# Altium PCB Copy of PCB1.PcbDoc (part 1 of 2)
Units mm, origin at the board's own origin, x right, y up, seen from the top; angles counter-clockwise.
Board outline 138.99 x 99.31 mm, 2 copper layers (Top Layer, Bottom Layer); 258 components, 212 nets, 701 pads, 41 vias.
Unrouted connection lines stored in the file: 158.
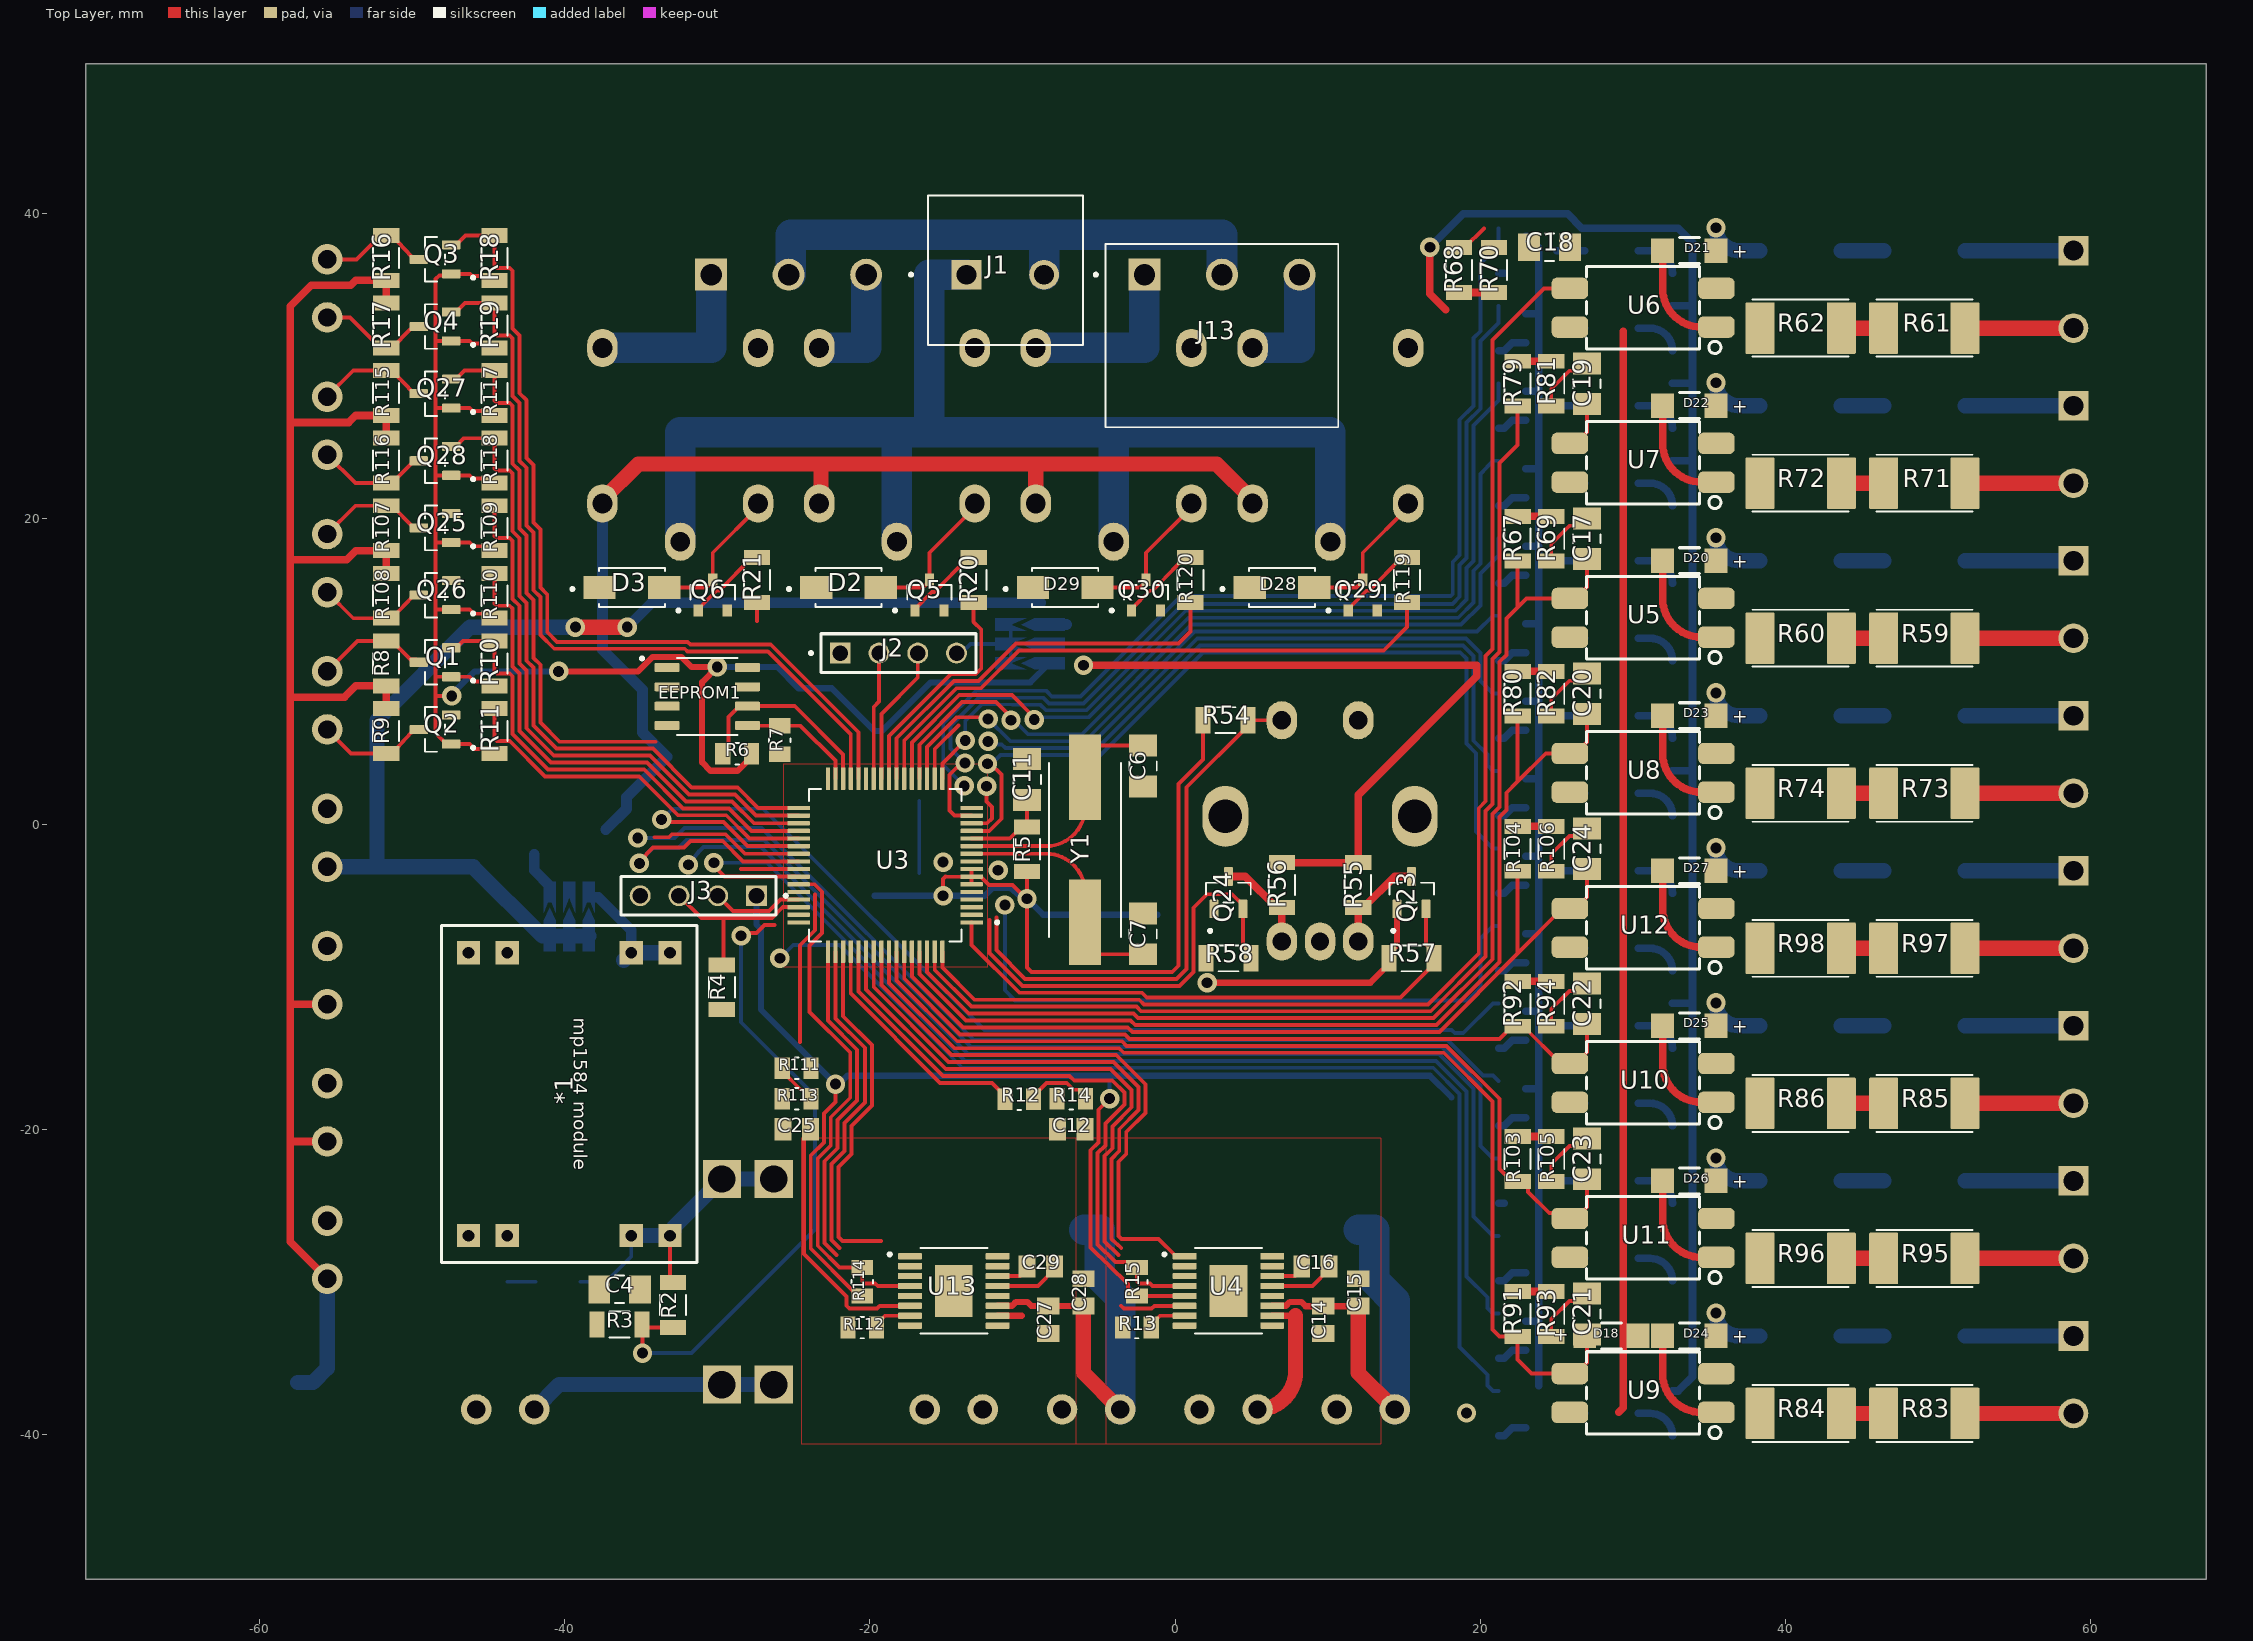
[diagram p0: Top Layer view]
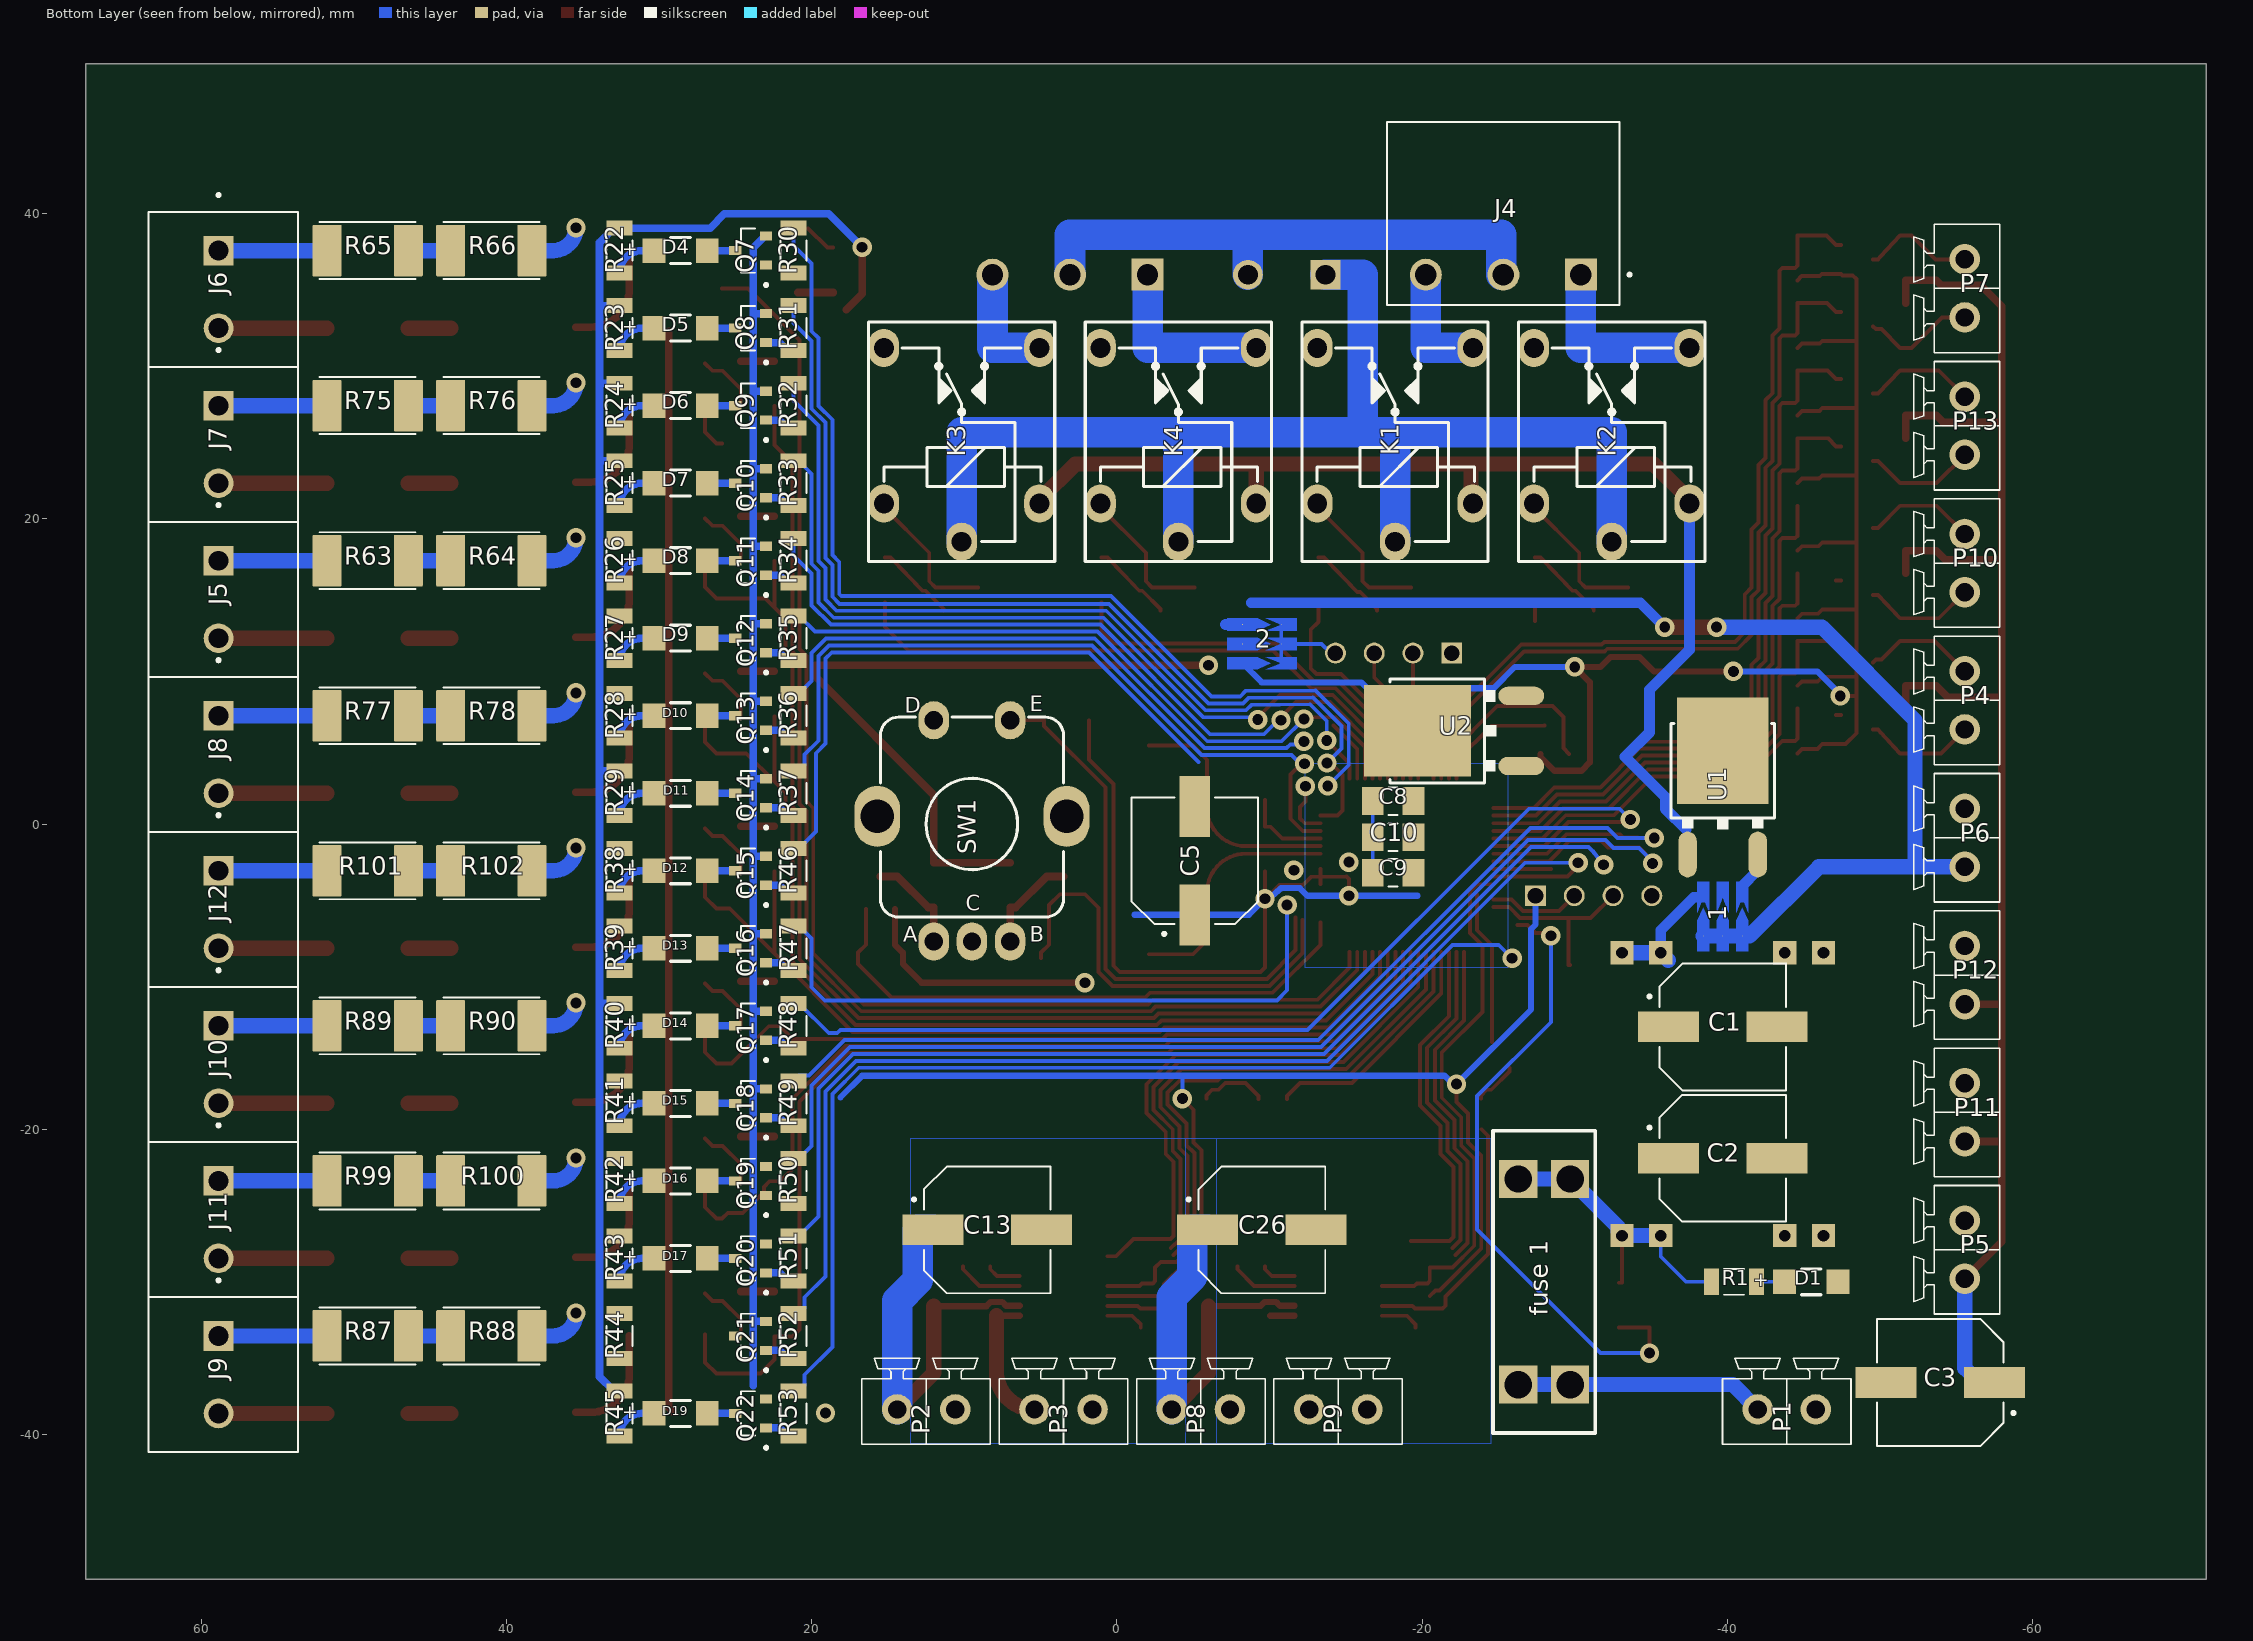
[diagram p1: Bottom Layer view, seen from below]

## Layer stack, top to bottom
Top Solder: solder mask 0.0102, Solder Resist, Dk 3.5
Top Layer: signal copper 0.0356
Dielectric 1: dielectric 0.32, FR-4, Dk 4.8
Bottom Layer: signal copper 0.0356
Bottom Solder: solder mask 0.0102, Solder Resist, Dk 3.5

## Board outline
-71.399,-49.479 67.589,-49.479 67.589,49.835 -71.399,49.835

## Design rules (kind name [scope] priority, off if disabled: settings)
AcuteAngle [All] p1: minimum=8.90000000000000E+0001 checktracksonly=FALSE
BoardOutlineClearance [All] p1: gap=0.5 ignorepadtopadclearanceinfootprint=FALSE
Clearance [All] p1: gap=0.4 ignorepadtopadclearanceinfootprint=FALSE except(0.5: Arc-Hole Track-Hole SMDPad-Hole Via-Hole Fill-Hole Poly-Hole Region-Hole Text-Hole; 0.8: Arc-THPad Track-THPad SMDPad-THPad THPad-THPad THPad-Via THPad-Fill THPad-Poly THPad-Region THPad-Text THPad-Hole)
HoleSize [All] p1: absolutevalues=TRUE maxlimit=2.54 minlimit=0.5 maxpercent=80.000 minpercent=20.000
HoleToHoleClearance [All] p1: gap=0.8 allowstackedmicrovias=TRUE
MinimumAnnularRing [All] p1: minimumring=0.254
PlaneConnect [All] p1: planeconnectstyle=Direct reliefexpansion=0.508 reliefentries=4 reliefconductorwidth=0.254 reliefairgap=0.254
PolygonConnect [All] p1: connectstyle=Direct reliefconductorwidth=0.254 reliefentries=4 polygonreliefangle="90 Angle" airgapwidth=0.254
RoutingVias [All] p1: holewidth=0.6 width=1 viastyle="Through Hole" minholewidth=0.5 minwidth=1 maxholewidth=2 maxwidth=4
SolderMaskExpansion [All] p1: expansion=0.102 istentingtop=FALSE
SupplyNets "Schematic Supply Nets_2" [InNet('3.3v')] p1: voltage=0.000
SupplyNets "Schematic Supply Nets" [InNet('GND')] p2: voltage=0.000
Width [All] p1: maxlimit=5 minlimit=0.254 preferedwidth=0.254
27 further rules are at their usual default settings.

## Classes and differential pairs
component class "receiver 2": C21 C22 C23 C24 D24 D25 D26 D27 J9 J10 J11 J12 R83 R84 R85 R86 R87 R88 R89 R90 R91 R92 R93 R94 R95 R96 R97 R98 R99 R100 R101 R102 R103 R104 R105 R106 U9 U10 U11 U12
component class "receiver 1": C17 C18 C19 C20 D20 D21 D22 D23 J5 J6 J7 J8 R59 R60 R61 R62 R63 R64 R65 R66 R67 R68 R69 R70 R71 R72 R73 R74 R75 R76 R77 R78 R79 R80 R81 R82 U5 U6 U7 U8
component class "motor driver 2": D28 D29 J13 K3 K4 P12 P13 Q27 Q28 Q29 Q30 R115 R116 R117 R118 R119 R120
component class Power: 1 *1 C1 C2 C3 C4 C5 D1 "fuse 1" J1 P1 R1 R2 R3 U1 U2
component class "motor driver 1": D2 D3 J4 K1 K2 P6 P7 Q3 Q4 Q5 Q6 R16 R17 R18 R19 R20 R21
component class MCU: 2 C6 C7 C8 C9 C10 C11 EEPROM1 fram? J2 J3 R4 R5 R6 R7 S? U3 Y1 Y?
component class "jack driver 2": C25 C26 C27 C28 C29 P8 P9 P10 P11 Q25 Q26 R107 R108 R109 R110 R111 R112 R113 R114 U13
component class "jack driver 1": C12 C13 C14 C15 C16 P2 P3 P4 P5 Q1 Q2 R8 R9 R10 R11 R12 R13 R14 R15 U4
component class interface: D4 D5 D6 D7 D8 D9 D10 D11 D12 D13 D14 D15 D16 D17 D18 D19 Q7 Q8 Q9 Q10 Q11 Q12 Q13 Q14 Q15 Q16 Q17 Q18 Q19 Q20 Q21 Q22 Q23 Q24 R22 R23 R24 R25 R26 R27 R28 R29 R30 R31 R32 R33 R34 R35 R36 R37 R38 R39 R40 R41 R42 R43 R44 R45 R46 R47 R48 R49 R50 R51 R52 R53 R54 R55 R56 R57 R58 SW1

## Components (designator, comment, footprint, x,y, rotation, side; value= is the part's Value field where it differs from the comment)
1 "3way jumper" PCBComponent_1#1 -39.7,-6.07 r270 bottom
2 "3way jumper" PCBComponent_1#1 -9.5,11.8 r0 bottom
*1 "mp 1584 12v" PCBComponent_1#2 -39.7,-17.7 r270 top
C1 "470uF-16v-polymer" CAP_EEEFN1H101L -39.7,-13.3 r180 bottom
C2 "470uF-16v-polymer" CAP_EEEFN1H101L -39.7,-21.9 r180 bottom
C3 "470uF-16v-polymer" CAP_EEEFN1H101L -53.95,-36.6 r0 bottom
C4 "1nF-1206" CAPC3216X180N -36.4,-30.5 r0 top
C5 "470uF-6.3v-polymer" CAP_EEEFN1H101L -5.1,-2.4 r90 bottom
C6 "22pf-1206" CAPC3216X180N -2.1,3.8 r90 top locked
C7 "22pf-1206" CAPC3216X180N -2.1,-7.2 r270 top locked
C8 "1uf-1206" CAPC3216X180N -18.1,1.5 r180 bottom
C9 "1uf-1206" CAPC3216X180N -18.1,-3.2 r180 bottom
C10 "1uf-1206" CAPC3216X180N -18.1,-0.875 r180 bottom
C11 "1uf-1206" CAPC3216X180N -9.7,2.921 r270 top
C12 "22nf -0805" CAPC2012X145N -6.8,-20 r0 top locked
C13 "100uF-50v-polymer" CAP_EEEFN1H101L 8.5,-26.6 r180 bottom
C14 "100nf -0805" CAPC2012X145N 9.7,-32.5 r90 top locked
C15 "100nf -0805" CAPC2012X145N 12,-30.7 r270 top locked
C16 "22nf -0805" CAPC2012X145N 9.2,-29 r0 top locked
C17 "1uf-1206" CAPC3216X180N 26.992,18.695 r270 top locked
C18 "1uf-1206" CAPC3216X180N 24.536,37.8 r0 top locked
C19 "1uf-1206" CAPC3216X180N 26.992,28.855 r270 top locked
C20 "1uf-1206" CAPC3216X180N 26.992,8.535 r270 top locked
C21 "1uf-1206" CAPC3216X180N 26.992,-32.105 r270 top locked
C22 "1uf-1206" CAPC3216X180N 26.992,-11.785 r270 top locked
C23 "1uf-1206" CAPC3216X180N 26.992,-21.945 r270 top locked
C24 "1uf-1206" CAPC3216X180N 26.992,-1.625 r270 top locked
C25 "22nf -0805" CAPC2012X145N -24.8,-20 r0 top locked
C26 "100uF-50v-polymer" CAP_EEEFN1H101L -9.5,-26.6 r180 bottom
C27 "100nf -0805" CAPC2012X145N -8.3,-32.5 r90 top locked
C28 "100nf -0805" CAPC2012X145N -6,-30.7 r270 top locked
C29 "22nf -0805" CAPC2012X145N -8.8,-29 r0 top locked
D1 "led-red-1206" "WL-SMRW_1206 dome_normal use" -45.5,-30 r0 bottom
D2 "1N4007-SMA" DIOM4325X250N -21.4,15.5 r0 top locked
D3 "1N4007-SMA" DIOM4325X250N -35.6,15.5 r0 top locked
D4 "led-red-1206" "WL-SMRW_1206 dome_normal use" 28.6,37.575 r0 bottom locked
D5 "led-red-1206" "WL-SMRW_1206 dome_normal use" 28.6,32.495 r0 bottom locked
D6 "led-red-1206" "WL-SMRW_1206 dome_normal use" 28.6,27.415 r0 bottom locked
D7 "led-red-1206" "WL-SMRW_1206 dome_normal use" 28.6,22.335 r0 bottom locked
D8 "led-red-1206" "WL-SMRW_1206 dome_normal use" 28.6,17.255 r0 bottom locked
D9 "led-red-1206" "WL-SMRW_1206 dome_normal use" 28.6,12.175 r0 bottom locked
D10 "led-red-1206" "WL-SMRW_1206 dome_normal use" 28.6,7.095 r0 bottom locked
D11 "led-red-1206" "WL-SMRW_1206 dome_normal use" 28.6,2.015 r0 bottom locked
D12 "led-red-1206" "WL-SMRW_1206 dome_normal use" 28.6,-3.065 r0 bottom locked
D13 "led-red-1206" "WL-SMRW_1206 dome_normal use" 28.6,-8.145 r0 bottom locked
D14 "led-red-1206" "WL-SMRW_1206 dome_normal use" 28.6,-13.225 r0 bottom locked
D15 "led-red-1206" "WL-SMRW_1206 dome_normal use" 28.6,-18.305 r0 bottom locked
D16 "led-red-1206" "WL-SMRW_1206 dome_normal use" 28.6,-23.385 r0 bottom locked
D17 "led-red-1206" "WL-SMRW_1206 dome_normal use" 28.6,-28.465 r0 bottom locked
D18 "led-red-1206" "WL-SMRW_1206 dome_normal use" 28.6,-33.545 r0 top locked
D19 "led-red-1206" "WL-SMRW_1206 dome_normal use" 28.6,-38.625 r0 bottom locked
D20 "led-red-1206" "WL-SMRW_1206 dome_normal use" 33.7,17.255 r0 top locked
D21 "led-red-1206" "WL-SMRW_1206 dome_normal use" 33.7,37.575 r0 top locked
D22 "led-red-1206" "WL-SMRW_1206 dome_normal use" 33.7,27.415 r0 top locked
D23 "led-red-1206" "WL-SMRW_1206 dome_normal use" 33.7,7.095 r0 top locked
D24 "led-red-1206" "WL-SMRW_1206 dome_normal use" 33.7,-33.545 r0 top locked
D25 "led-red-1206" "WL-SMRW_1206 dome_normal use" 33.7,-13.225 r0 top locked
D26 "led-red-1206" "WL-SMRW_1206 dome_normal use" 33.7,-23.385 r0 top locked
D27 "led-red-1206" "WL-SMRW_1206 dome_normal use" 33.7,-3.065 r0 top locked
D28 "1N4007-SMA" DIOM4325X250N 7,15.5 r0 top locked
D29 "1N4007-SMA" DIOM4325X250N -7.2,15.5 r0 top locked
EEPROM1 "Component_1" SOIC127P602X172-8N -30.658,8.357 r0 top
"fuse 1" "car fuse" PCBComponent_1#3 -28,-30 r90 bottom
J1 "phoenix-5.08mm-2pos" PHOENIX_1715721 -16.205,31.4 r0 top locked
J2 "MTSW-104-24-G-S-230" SAMTEC_MTSW-104-24-G-S-230 -18.13,11.2 r180 top
J3 "MTSW-104-24-G-S-230" SAMTEC_MTSW-104-24-G-S-230 -31.242,-4.699 r0 top
J4 "phoenix-5.08mm-3pos" PHOENIX_1759020 -32.945,46 r0 bottom locked
J5 "phoenix-5.08mm-2pos" PHOENIX_1715721 63.475,19.795 r270 bottom locked
J6 "phoenix-5.08mm-2pos" PHOENIX_1715721 63.475,40.115 r270 bottom locked
J7 "phoenix-5.08mm-2pos" PHOENIX_1715721 63.475,29.955 r270 bottom locked
J8 "phoenix-5.08mm-2pos" PHOENIX_1715721 63.475,9.635 r270 bottom locked
J9 "phoenix-5.08mm-2pos" PHOENIX_1715721 63.475,-31.005 r270 bottom locked
J10 "phoenix-5.08mm-2pos" PHOENIX_1715721 63.475,-10.685 r270 bottom locked
J11 "phoenix-5.08mm-2pos" PHOENIX_1715721 63.475,-20.845 r270 bottom locked
J12 "phoenix-5.08mm-2pos" PHOENIX_1715721 63.475,-0.525 r270 bottom locked
J13 "phoenix-5.08mm-3pos" PHOENIX_1759020 -4.545,26 r0 top locked
K1 "RELAY_SPDT" REL_SPDT_5_1512 -18.225,21 r0 bottom
K2 "RELAY_SPDT" REL_SPDT_5_1512 -32.425,21 r0 bottom
K3 "RELAY_SPDT" REL_SPDT_5_1512 10.175,21 r0 bottom
K4 "RELAY_SPDT" REL_SPDT_5_1512 -4.025,21 r0 bottom
P1 "phoenix-3.81mm-2pos" PHOENIX_1803578 -43.895,-39 r0 bottom locked
P2 "phoenix-3.81mm-2pos" PHOENIX_1803578 12.5,-39 r0 bottom locked
P3 "phoenix-3.81mm-2pos" PHOENIX_1803578 3.5,-39 r0 bottom locked
P4 "phoenix-3.81mm-2pos" PHOENIX_1803578 -56.2,8.1 r270 bottom
P5 "phoenix-3.81mm-2pos" PHOENIX_1803578 -56.2,-27.9 r270 bottom
P6 "phoenix-3.81mm-2pos" PHOENIX_1803578 -56.2,-0.9 r270 bottom
P7 "phoenix-3.81mm-2pos" PHOENIX_1803578 -56.2,35.1 r270 bottom
P8 "phoenix-3.81mm-2pos" PHOENIX_1803578 -5.5,-39 r0 bottom locked
P9 "phoenix-3.81mm-2pos" PHOENIX_1803578 -14.5,-39 r0 bottom locked
P10 "phoenix-3.81mm-2pos" PHOENIX_1803578 -56.2,17.1 r270 bottom
P11 "phoenix-3.81mm-2pos" PHOENIX_1803578 -56.2,-18.9 r270 bottom
P12 "phoenix-3.81mm-2pos" PHOENIX_1803578 -56.2,-9.9 r270 bottom
P13 "phoenix-3.81mm-2pos" PHOENIX_1803578 -56.2,26.1 r270 bottom
Q1 "2N7002" SOT95P240X111-3N -48.5,10.596 r180 top
Q2 "2N7002" SOT95P240X111-3N -48.5,6.195 r180 top
Q3 "2N7002" SOT95P240X111-3N -48.5,37.005 r180 top
Q4 "2N7002" SOT95P240X111-3N -48.5,32.604 r180 top
Q5 "SS8050" TRANS_SS8050-G -16.1,15 r90 top locked
Q6 "SS8050" TRANS_SS8050-G -30.3,15 r90 top locked
Q7 "SS8050" TRANS_SS8050-G 24,37.575 r0 bottom locked
Q8 "SS8050" TRANS_SS8050-G 24,32.495 r0 bottom locked
Q9 "SS8050" TRANS_SS8050-G 24,27.415 r0 bottom locked
Q10 "SS8050" TRANS_SS8050-G 24,22.335 r0 bottom locked
Q11 "SS8050" TRANS_SS8050-G 24,17.255 r0 bottom locked
Q12 "SS8050" TRANS_SS8050-G 24,12.175 r0 bottom locked
Q13 "SS8050" TRANS_SS8050-G 24,7.095 r0 bottom locked
Q14 "SS8050" TRANS_SS8050-G 24,2.015 r0 bottom locked
Q15 "SS8050" TRANS_SS8050-G 24,-3.065 r0 bottom locked
Q16 "SS8050" TRANS_SS8050-G 24,-8.145 r0 bottom locked
Q17 "SS8050" TRANS_SS8050-G 24,-13.225 r0 bottom locked
Q18 "SS8050" TRANS_SS8050-G 24,-18.305 r0 bottom locked
Q19 "SS8050" TRANS_SS8050-G 24,-23.385 r0 bottom locked
Q20 "SS8050" TRANS_SS8050-G 24,-28.465 r0 bottom locked